# KiCad board StarboardWing.kicad_pcb
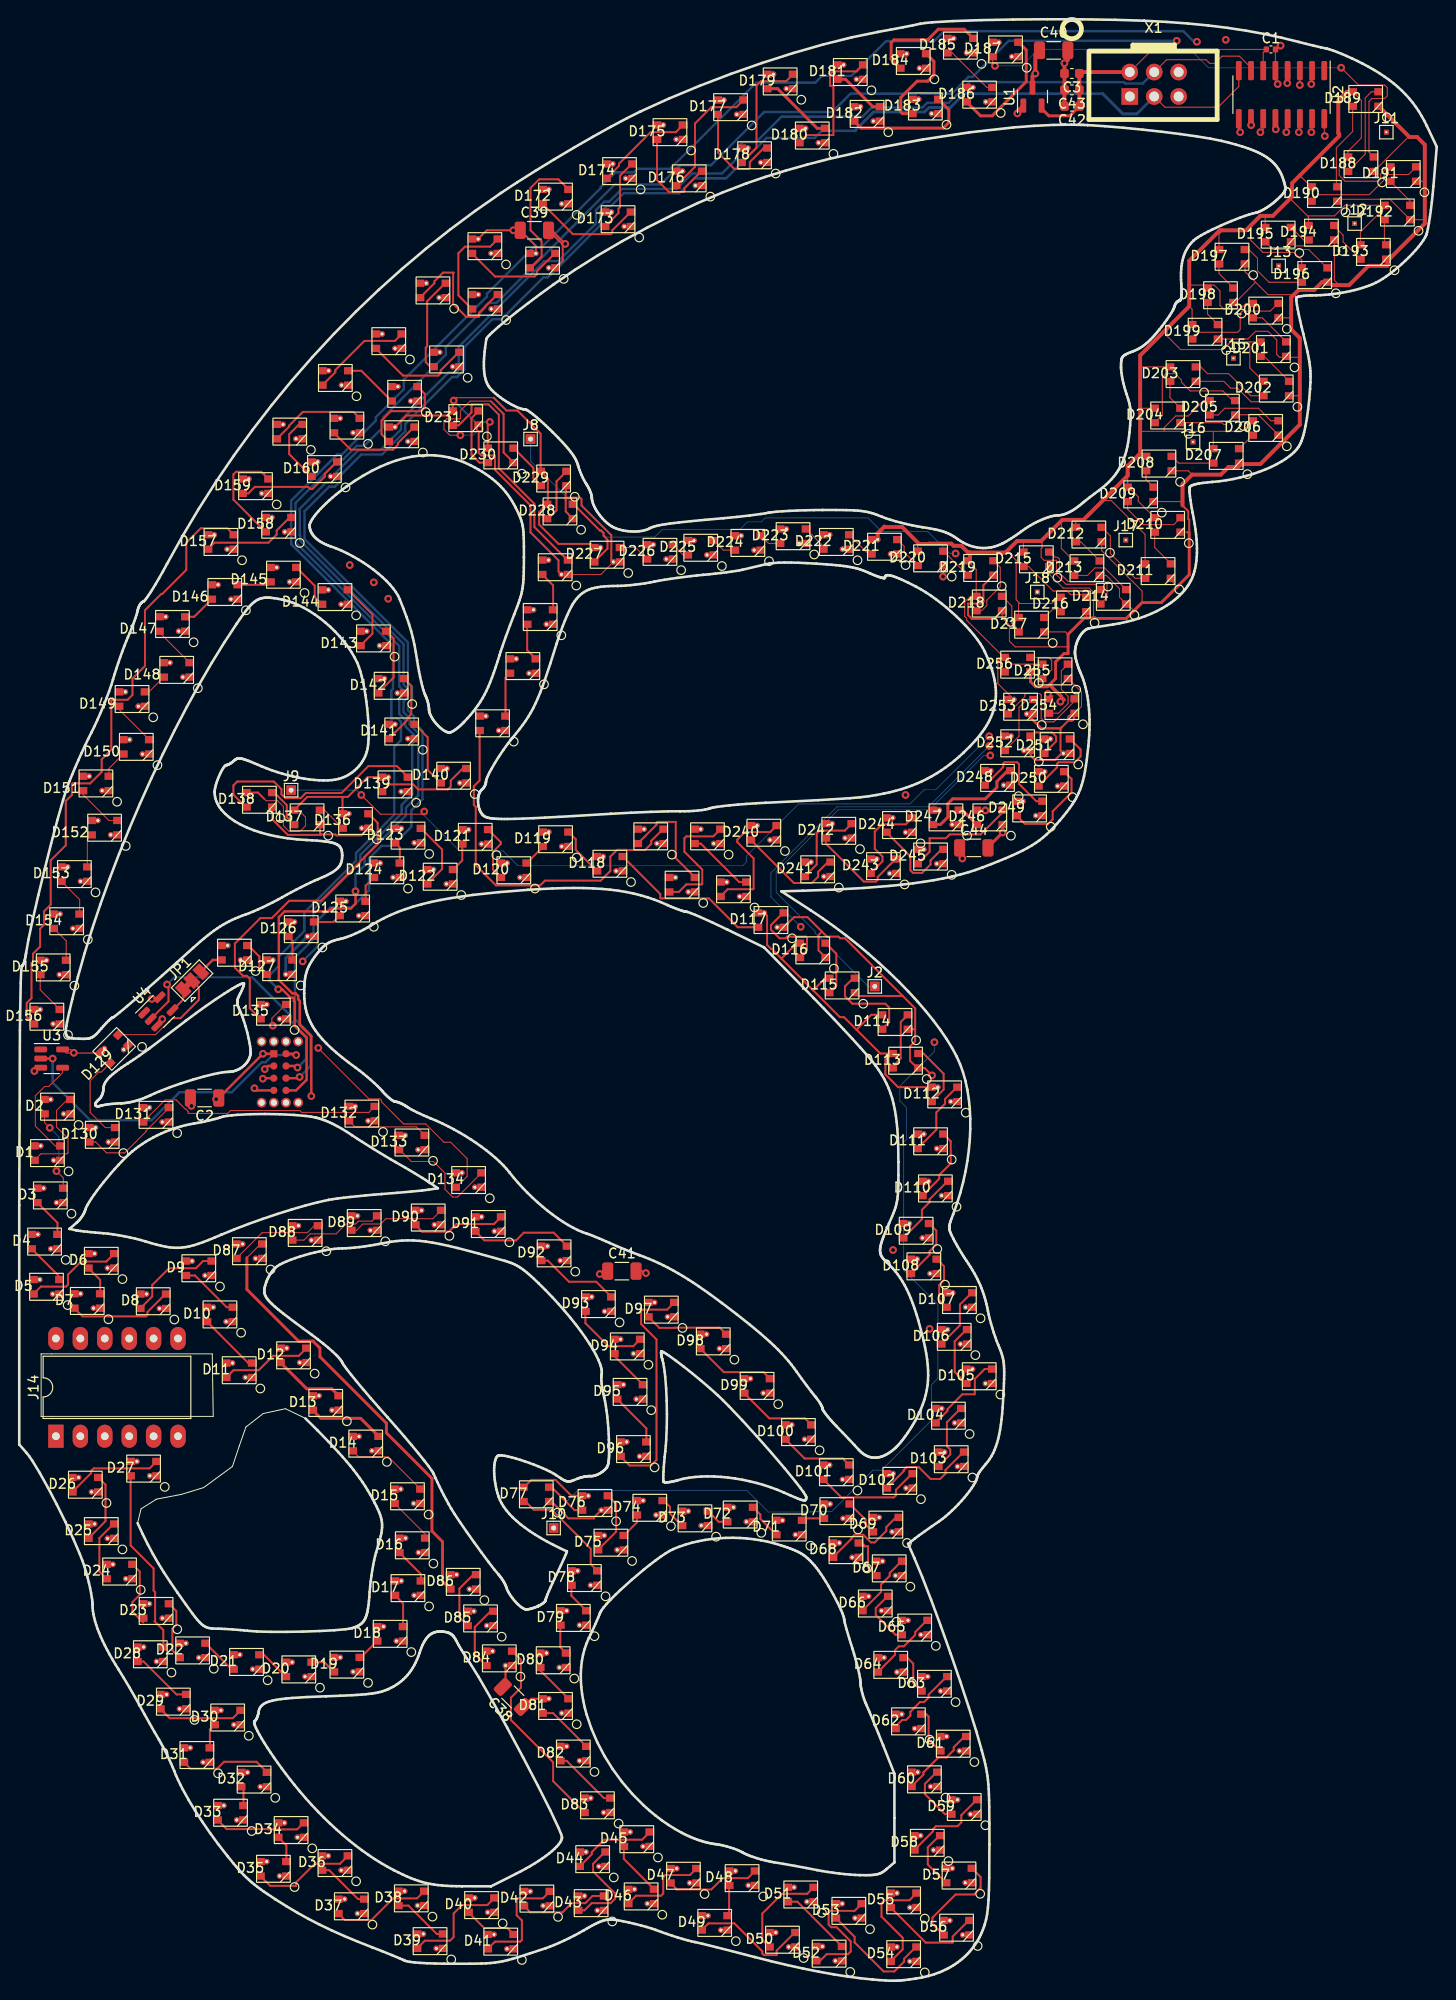
[diagram p0: board, top side]
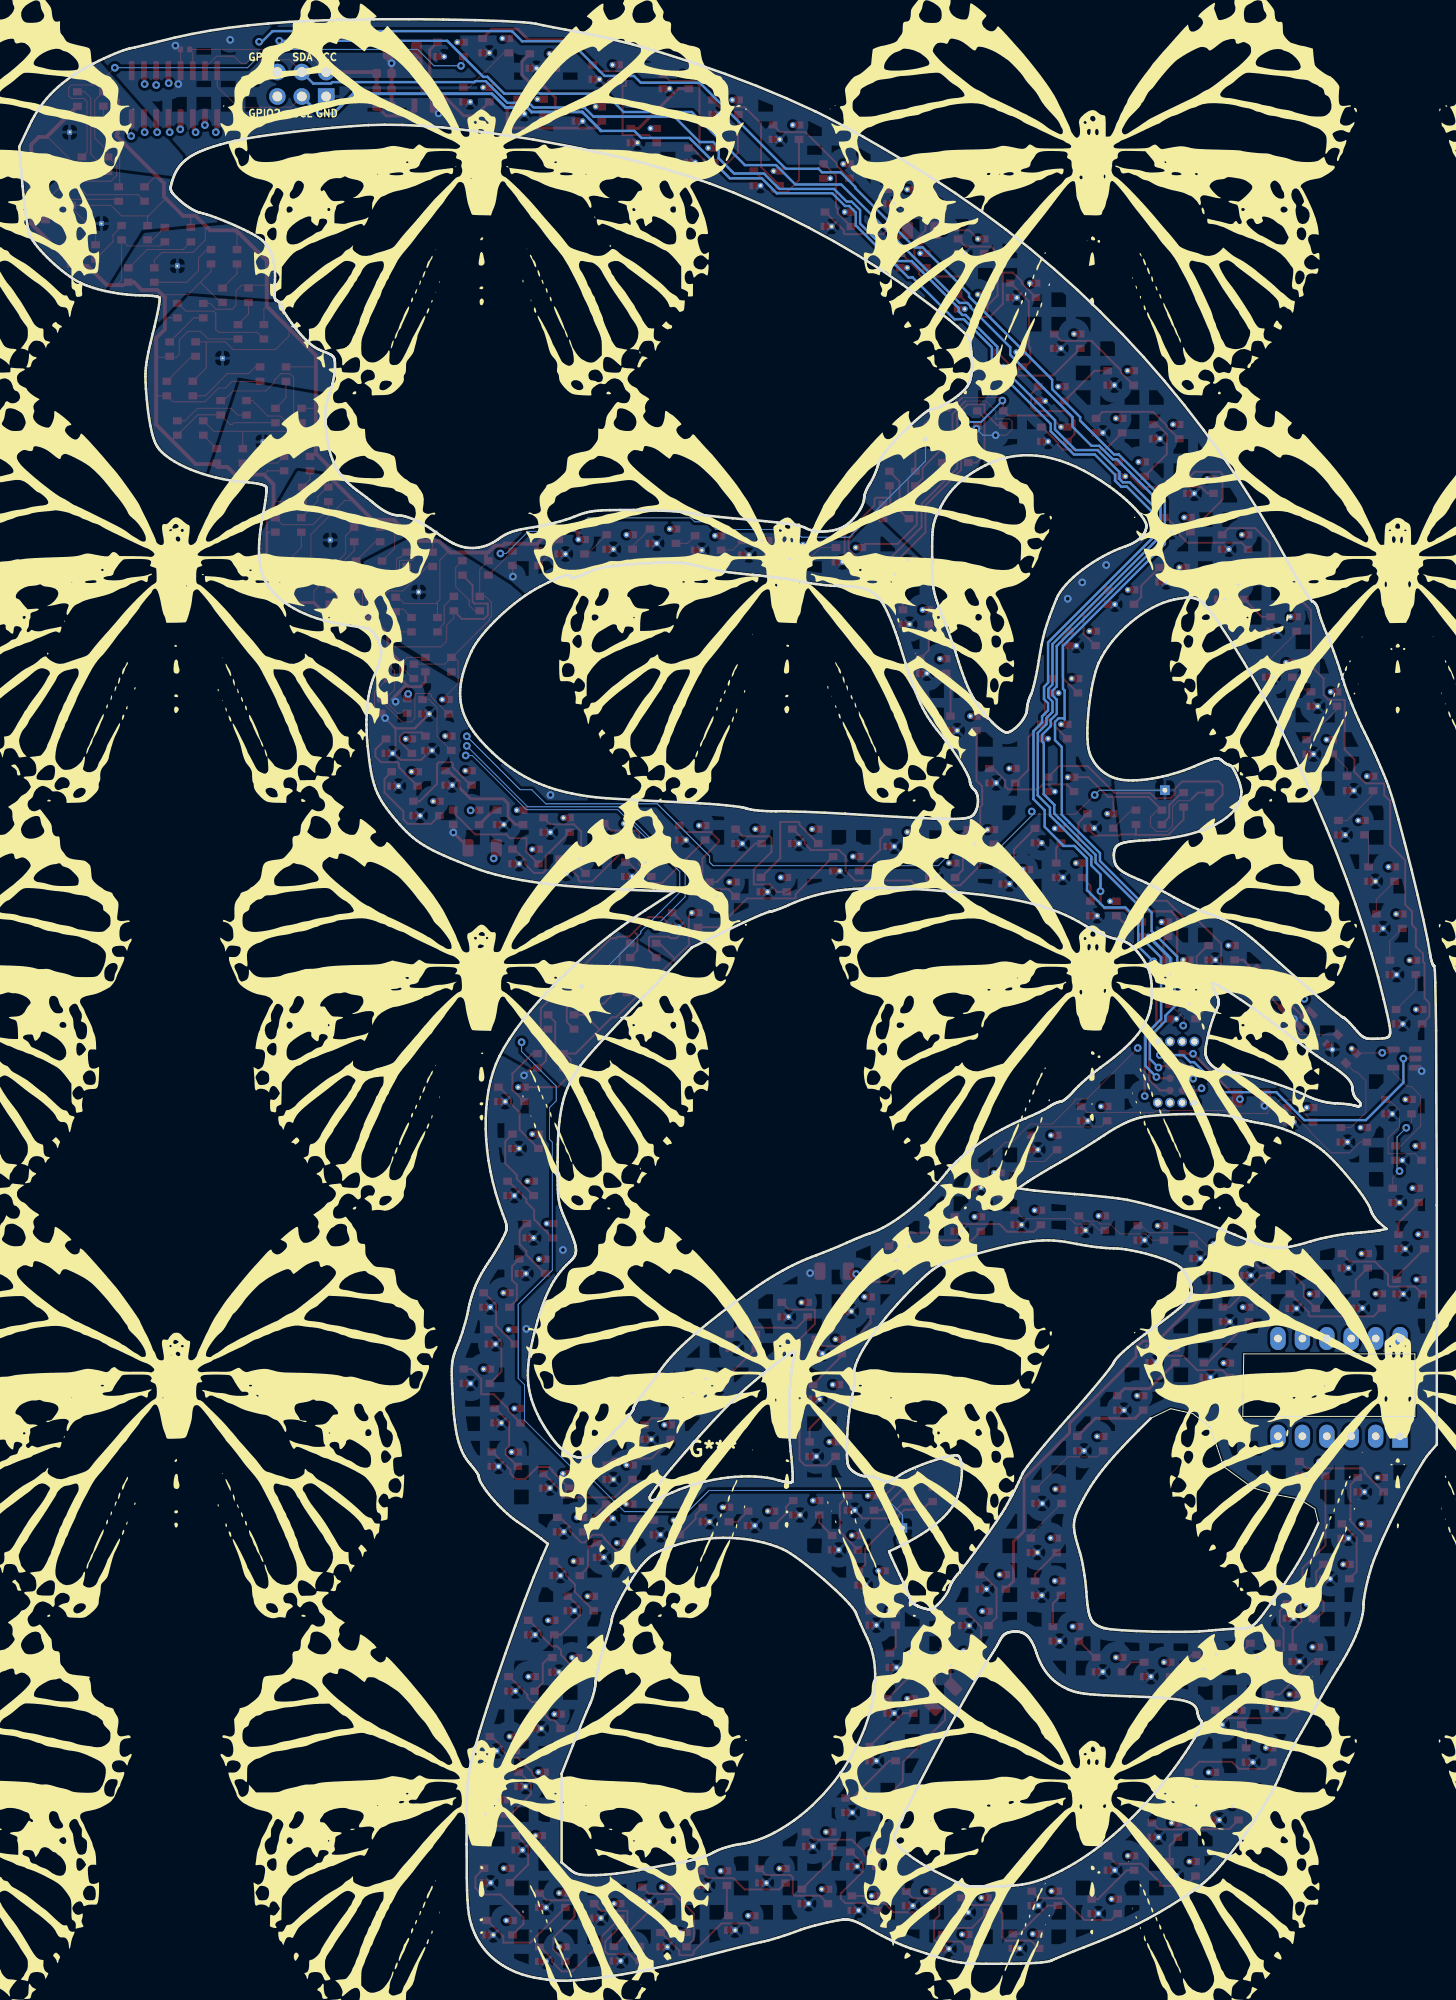
[diagram p1: board, bottom side, seen from below]

Outline 147.42 x 203.91 mm; copper layers: Top, In1.Cu, In2.Cu, Bottom. Coordinates in mm from the lower left corner of the outline.
Stack: Top 0.035mm / dielectric 0.1mm FR4 er 4.5 / In1.Cu 0.035mm / dielectric 1.24mm FR4 er 4.5 / In2.Cu 0.035mm / dielectric 0.1mm FR4 er 4.5 / Bottom 0.035mm

## Placement (name value [footprint] x y rotation side)
C1  1uF  [C_0402_1005Metric]  130.17 200.77 0 top
C2  22uF  [C_1206_3216Metric]  19.27 91.77 180 top
C3  10uF  [C_0603_1608Metric]  109.47 198.27 180 top
C38  22uF  [C_1206_3216Metric]  51.33 29.51 135 top
C39  22uF  [C_1206_3216Metric]  53.57 181.97 0 top
C40  22uF  [C_1206_3216Metric]  107.57 200.67 0 top
C41  22uF  [C_1206_3216Metric]  62.67 73.77 0 top
C42  10uF  [C_0603_1608Metric]  109.47 194.87 180 top
C43  10uF  [C_0603_1608Metric]  109.47 196.57 180 top
C44  22uF  [C_1206_3216Metric]  99.27 117.77 0 top
D1  SK6812  [XL-3528RGBW]  2.93 86.04 0 top
D2  SK6812  [XL-3528RGBW]  3.97 90.87 0 top
D3  SK6812  [XL-3528RGBW]  3.23 81.64 0 top
D4  SK6812  [XL-3528RGBW]  2.63 76.84 0 top
D5  SK6812  [XL-3528RGBW]  2.83 72.14 0 top
D6  SK6812  [XL-3528RGBW]  8.53 74.84 0 top
D7  SK6812  [XL-3528RGBW]  7.07 70.67 0 top
D8  SK6812  [XL-3528RGBW]  13.93 70.64 0 top
D9  SK6812  [XL-3528RGBW]  18.67 74.07 0 top
D10  SK6812  [XL-3528RGBW]  20.87 69.27 0 top
D11  SK6812  [XL-3528RGBW]  22.87 63.47 0 top
D12  SK6812  [XL-3528RGBW]  28.52 65.02 0 top
D13  SK6812  [XL-3528RGBW]  31.87 60.07 0 top
D14  SK6812  [XL-3528RGBW]  36.03 55.84 0 top
D15  SK6812  [XL-3528RGBW]  40.37 50.37 0 top
D16  SK6812  [XL-3528RGBW]  40.87 45.27 0 top
D17  SK6812  [XL-3528RGBW]  40.42 40.82 0 top
D18  SK6812  [XL-3528RGBW]  38.57 36.07 0 top
D19  SK6812  [XL-3528RGBW]  34.07 32.87 0 top
D20  SK6812  [XL-3528RGBW]  29.07 32.37 0 top
D21  SK6812  [XL-3528RGBW]  23.63 33.14 0 top
D22  SK6812  [XL-3528RGBW]  18.03 34.34 0 top
D23  SK6812  [XL-3528RGBW]  14.23 38.44 0 top
D24  SK6812  [XL-3528RGBW]  10.43 42.54 0 top
D25  SK6812  [XL-3528RGBW]  8.53 46.74 0 top
D26  SK6812  [XL-3528RGBW]  6.87 51.57 0 top
D27  SK6812  [XL-3528RGBW]  12.93 53.24 0 top
D28  SK6812  [XL-3528RGBW]  13.63 33.94 0 top
D29  SK6812  [XL-3528RGBW]  16.02 29.02 0 top
D30  SK6812  [XL-3528RGBW]  21.67 27.37 0 top
D31  SK6812  [XL-3528RGBW]  18.47 23.47 0 top
D32  SK6812  [XL-3528RGBW]  24.42 20.92 0 top
D33  SK6812  [XL-3528RGBW]  21.97 17.47 0 top
D34  SK6812  [XL-3528RGBW]  28.27 15.67 0 top
D35  SK6812  [XL-3528RGBW]  26.43 11.64 0 top
D36  SK6812  [XL-3528RGBW]  32.83 12.24 0 top
D37  SK6812  [XL-3528RGBW]  34.53 7.74 0 top
D38  SK6812  [XL-3528RGBW]  40.77 8.57 0 top
D39  SK6812  [XL-3528RGBW]  42.72 4.12 0 top
D40  SK6812  [XL-3528RGBW]  48.07 7.87 0 top
D41  SK6812  [XL-3528RGBW]  50.07 4.07 0 top
D42  SK6812  [XL-3528RGBW]  53.83 8.54 0 top
D43  SK6812  [XL-3528RGBW]  59.47 8.07 0 top
D44  SK6812  [XL-3528RGBW]  59.63 12.64 0 top
D45  SK6812  [XL-3528RGBW]  64.22 14.72 0 top
D46  SK6812  [XL-3528RGBW]  64.67 8.77 0 top
D47  SK6812  [XL-3528RGBW]  69.07 10.92 0 top
D48  SK6812  [XL-3528RGBW]  75.17 10.67 0 top
D49  SK6812  [XL-3528RGBW]  72.32 6.02 0 top
D50  SK6812  [XL-3528RGBW]  79.37 4.27 0 top
D51  SK6812  [XL-3528RGBW]  81.27 8.97 0 top
D52  SK6812  [XL-3528RGBW]  84.22 2.82 0 top
D53  SK6812  [XL-3528RGBW]  86.27 7.27 0 top
D54  SK6812  [XL-3528RGBW]  91.97 2.77 0 top
D55  SK6812  [XL-3528RGBW]  91.97 8.37 0 top
D56  SK6812  [XL-3528RGBW]  97.47 5.52 0 top
D57  SK6812  [XL-3528RGBW]  97.73 10.94 0 top
D58  SK6812  [XL-3528RGBW]  94.43 14.34 0 top
D59  SK6812  [XL-3528RGBW]  98.27 18.07 0 top
D60  SK6812  [XL-3528RGBW]  94.13 20.94 0 top
D61  SK6812  [XL-3528RGBW]  97.13 24.64 0 top
D62  SK6812  [XL-3528RGBW]  92.47 26.97 0 top
D63  SK6812  [XL-3528RGBW]  95.17 30.87 0 top
D64  SK6812  [XL-3528RGBW]  90.63 32.84 0 top
D65  SK6812  [XL-3528RGBW]  93.12 36.72 0 top
D66  SK6812  [XL-3528RGBW]  89.02 39.22 0 top
D67  SK6812  [XL-3528RGBW]  90.47 42.87 0 top
D68  SK6812  [XL-3528RGBW]  85.97 44.77 0 top
D69  SK6812  [XL-3528RGBW]  90.12 47.42 0 top
D70  SK6812  [XL-3528RGBW]  85.02 48.82 0 top
D71  SK6812  [XL-3528RGBW]  80.07 47.12 0 top
D72  SK6812  [XL-3528RGBW]  74.97 48.47 0 top
D73  SK6812  [XL-3528RGBW]  70.27 48.07 0 top
D74  SK6812  [XL-3528RGBW]  65.57 49.17 0 top
D75  SK6812  [XL-3528RGBW]  61.53 45.54 0 top
D76  SK6812  [XL-3528RGBW]  59.87 49.67 0 top
D77  SK6812  [XL-3528RGBW-NoVia]  53.77 50.57 0 top
D78  SK6812  [XL-3528RGBW]  58.77 41.87 0 top
D79  SK6812  [XL-3528RGBW]  57.62 37.72 0 top
D80  SK6812  [XL-3528RGBW]  55.52 33.32 0 top
D81  SK6812  [XL-3528RGBW]  55.77 28.57 0 top
D82  SK6812  [XL-3528RGBW]  57.62 23.62 0 top
D83  SK6812  [XL-3528RGBW]  60.13 18.24 0 top
D84  SK6812  [XL-3528RGBW]  49.92 33.52 0 top
D85  SK6812  [XL-3528RGBW]  47.97 37.67 0 top
D86  SK6812  [XL-3528RGBW]  46.17 41.47 0 top
D87  SK6812  [XL-3528RGBW]  23.93 75.84 0 top
D88  SK6812  [XL-3528RGBW]  29.73 77.74 0 top
D89  SK6812  [XL-3528RGBW]  35.87 78.77 0 top
D90  SK6812  [XL-3528RGBW]  42.53 79.34 0 top
D91  SK6812  [XL-3528RGBW]  48.77 78.67 0 top
D92  SK6812  [XL-3528RGBW]  55.62 75.62 0 top
D93  SK6812  [XL-3528RGBW]  60.23 70.34 0 top
D94  SK6812  [XL-3528RGBW]  63.23 65.94 0 top
D95  SK6812  [XL-3528RGBW]  63.52 61.22 0 top
D96  SK6812  [XL-3528RGBW]  63.87 55.27 0 top
D97  SK6812  [XL-3528RGBW]  66.77 69.77 0 top
D98  SK6812  [XL-3528RGBW]  72.17 66.47 0 top
D99  SK6812  [XL-3528RGBW]  76.73 61.84 0 top
D100  SK6812  [XL-3528RGBW]  81.03 57.04 0 top
D101  SK6812  [XL-3528RGBW]  84.97 52.87 0 top
D102  SK6812  [XL-3528RGBW]  91.57 51.97 0 top
D103  SK6812  [XL-3528RGBW]  96.92 54.22 0 top
D104  SK6812  [XL-3528RGBW]  96.63 58.74 0 top
D105  SK6812  [XL-3528RGBW]  99.83 62.84 0 top
D106  SK6812  [XL-3528RGBW]  97.23 66.94 0 top
D107  SK6812  [XL-3528RGBW]  97.77 70.77 0 top
D108  SK6812  [XL-3528RGBW]  94.07 74.27 0 top
D109  SK6812  [XL-3528RGBW]  93.27 77.97 0 top
D110  SK6812  [XL-3528RGBW]  95.27 82.37 0 top
D111  SK6812  [XL-3528RGBW]  94.77 87.27 0 top
D112  SK6812  [XL-3528RGBW]  96.23 92.14 0 top
D113  SK6812  [XL-3528RGBW-NoVia]  92.17 95.64 0 top
D114  SK6812  [XL-3528RGBW-NoVia]  91.07 99.67 0 top
D115  SK6812  [XL-3528RGBW-NoVia]  85.57 103.47 0 top
D116  SK6812  [XL-3528RGBW-NoVia]  82.52 107.12 0 top
D117  SK6812  [XL-3528RGBW]  78.17 110.27 0 top
D118  SK6812  [XL-3528RGBW]  61.42 116.12 0 top
D119  SK6812  [XL-3528RGBW]  55.77 118.67 0 top
D120  SK6812  [XL-3528RGBW]  51.43 115.44 0 top
D121  SK6812  [XL-3528RGBW]  47.42 118.92 0 top
D122  SK6812  [XL-3528RGBW]  43.77 114.77 0 top
D123  SK6812  [XL-3528RGBW]  40.43 119.04 0 top
D124  SK6812  [XL-3528RGBW]  38.23 115.44 0 top
D125  SK6812  [XL-3528RGBW]  34.67 111.47 0 top
D126  SK6812  [XL-3528RGBW]  29.32 109.32 0 top
D127  SK6812  [XL-3528RGBW]  27.07 105.37 0 top
D128  SK6812  [XL-3528RGBW]  22.37 106.87 0 top
D129  SK6812  [XL-3528RGBW#2]  9.87 96.87 45 top
D130  SK6812  [XL-3528RGBW]  8.63 87.94 0 top
D131  SK6812  [XL-3528RGBW]  14.22 90.02 0 top
D132  SK6812  [XL-3528RGBW]  35.63 90.14 0 top
D133  SK6812  [XL-3528RGBW]  40.83 87.14 0 top
D134  SK6812  [XL-3528RGBW]  46.73 83.24 0 top
D135  SK6812  [XL-3528RGBW]  26.43 100.74 0 top
D136  SK6812  [XL-3528RGBW]  34.97 120.57 0 top
D137  SK6812  [XL-3528RGBW-NoVia]  29.93 120.94 0 top
D138  SK6812  [XL-3528RGBW-NoVia]  24.97 122.77 0 top
D139  SK6812  [XL-3528RGBW]  39.07 124.37 0 top
D140  SK6812  [XL-3528RGBW]  45.17 125.27 0 top
D141  SK6812  [XL-3528RGBW]  39.77 129.87 0 top
D142  SK6812  [XL-3528RGBW]  38.67 134.62 0 top
D143  SK6812  [XL-3528RGBW]  36.83 139.54 0 top
D144  SK6812  [XL-3528RGBW]  32.83 143.84 0 top
D145  SK6812  [XL-3528RGBW]  27.47 146.17 0 top
D146  SK6812  [XL-3528RGBW]  21.37 144.37 0 top
D147  SK6812  [XL-3528RGBW]  15.93 141.04 0 top
D148  SK6812  [XL-3528RGBW]  16.37 136.27 0 top
D149  SK6812  [XL-3528RGBW]  11.73 133.24 0 top
D150  SK6812  [XL-3528RGBW]  12.17 128.27 0 top
D151  SK6812  [XL-3528RGBW]  7.97 124.47 0 top
D152  SK6812  [XL-3528RGBW]  8.87 119.87 0 top
D153  SK6812  [XL-3528RGBW]  5.73 115.04 0 top
D154  SK6812  [XL-3528RGBW]  4.93 110.14 0 top
D155  SK6812  [XL-3528RGBW]  3.53 105.34 0 top
D156  SK6812  [XL-3528RGBW]  2.87 100.22 0 top
D157  SK6812  [XL-3528RGBW]  20.97 149.57 0 top
D158  SK6812  [XL-3528RGBW]  26.97 151.37 0 top
D159  SK6812  [XL-3528RGBW]  24.57 155.37 0 top
D160  SK6812  [XL-3528RGBW]  31.73 157.14 0 top
D161  SK6812  [XL-3528RGBW]  28.13 161.04 0 top
D162  SK6812  [XL-3528RGBW]  34.07 161.67 0 top
D163  SK6812  [XL-3528RGBW]  39.77 160.77 0 top
D164  SK6812  [XL-3528RGBW]  40.07 164.97 0 top
D165  SK6812  [XL-3528RGBW]  32.87 166.62 0 top
D166  SK6812  [XL-3528RGBW]  38.43 170.44 0 top
D167  SK6812  [XL-3528RGBW]  44.43 168.54 0 top
D168  SK6812  [XL-3528RGBW]  43.02 175.72 0 top
D169  SK6812  [XL-3528RGBW]  48.43 174.54 0 top
D170  SK6812  [XL-3528RGBW]  48.42 180.32 0 top
D171  SK6812  [XL-3528RGBW]  54.42 178.82 0 top
D172  SK6812  [XL-3528RGBW]  55.77 185.47 0 top
D173  SK6812  [XL-3528RGBW]  62.27 183.12 0 top
D174  SK6812  [XL-3528RGBW]  62.42 188.12 0 top
D175  SK6812  [XL-3528RGBW]  67.67 192.17 0 top
D176  SK6812  [XL-3528RGBW]  69.67 187.37 0 top
D177  SK6812  [XL-3528RGBW]  73.97 194.77 0 top
D178  SK6812  [XL-3528RGBW]  76.47 189.77 0 top
D179  SK6812  [XL-3528RGBW]  79.13 197.44 0 top
D180  SK6812  [XL-3528RGBW]  82.47 191.82 0 top
D181  SK6812  [XL-3528RGBW]  86.42 198.42 0 top
D182  SK6812  [XL-3528RGBW]  88.17 194.07 0 top
D183  SK6812  [XL-3528RGBW]  94.23 194.84 0 top
D184  SK6812  [XL-3528RGBW]  92.97 199.57 0 top
D185  SK6812  [XL-3528RGBW]  97.87 201.17 0 top
D186  SK6812  [XL-3528RGBW]  99.87 196.07 0 top
D187  SK6812  [XL-3528RGBW]  102.57 200.77 0 top
D188  SK6812  [XL-3528RGBW-NoVia]  139.53 188.84 0 top
D189  SK6812  [XL-3528RGBW-NoVia]  140.02 195.62 0 top
D190  SK6812  [XL-3528RGBW-NoVia]  135.73 185.74 0 top
D191  SK6812  [XL-3528RGBW-NoVia]  143.93 187.82 0 top
D192  SK6812  [XL-3528RGBW-NoVia]  143.32 183.82 0 top
D193  SK6812  [XL-3528RGBW-NoVia]  140.82 179.72 0 top
D194  SK6812  [XL-3528RGBW-NoVia]  135.42 181.72 0 top
D195  SK6812  [XL-3528RGBW-NoVia]  130.92 181.52 0 top
D196  SK6812  [XL-3528RGBW-NoVia]  134.72 177.32 0 top
D197  SK6812  [XL-3528RGBW-NoVia]  126.12 179.22 0 top
D198  SK6812  [XL-3528RGBW-NoVia]  124.92 175.22 0 top
D199  SK6812  [XL-3528RGBW-NoVia]  123.32 171.42 0 top
D200  SK6812  [XL-3528RGBW-NoVia]  129.62 173.62 0 top
D201  SK6812  [XL-3528RGBW-NoVia]  130.42 169.62 0 top
D202  SK6812  [XL-3528RGBW-NoVia]  130.72 165.52 0 top
D203  SK6812  [XL-3528RGBW-NoVia]  121.02 167.02 0 top
D204  SK6812  [XL-3528RGBW-NoVia]  119.42 162.72 0 top
D205  SK6812  [XL-3528RGBW-NoVia]  125.12 163.52 0 top
D206  SK6812  [XL-3528RGBW-NoVia]  129.62 161.42 0 top
D207  SK6812  [XL-3528RGBW-NoVia]  125.52 158.52 0 top
D208  SK6812  [XL-3528RGBW-NoVia]  118.52 157.72 0 top
D209  SK6812  [XL-3528RGBW-NoVia]  116.62 154.52 0 top
D210  SK6812  [XL-3528RGBW-NoVia]  119.43 151.34 0 top
D211  SK6812  [XL-3528RGBW-NoVia]  118.43 146.54 0 top
D212  SK6812  [XL-3528RGBW-NoVia]  111.23 150.34 0 top
D213  SK6812  [XL-3528RGBW-NoVia]  111.03 146.84 0 top
D214  SK6812  [XL-3528RGBW-NoVia]  113.77 143.87 0 top
D215  SK6812  [XL-3528RGBW-NoVia]  105.77 147.77 0 top
D216  SK6812  [XL-3528RGBW-NoVia]  109.63 143.07 0 top
D217  SK6812  [XL-3528RGBW-NoVia]  105.27 140.97 0 top
D218  SK6812  [XL-3528RGBW-NoVia]  100.87 143.17 0 top
D219  SK6812  [XL-3528RGBW-NoVia]  99.97 146.87 0 top
D220  SK6812  [XL-3528RGBW-NoVia]  94.77 147.87 0 top
D221  SK6812  [XL-3528RGBW]  89.97 149.07 0 top
D222  SK6812  [XL-3528RGBW]  84.97 149.57 0 top
D223  SK6812  [XL-3528RGBW]  80.47 150.17 0 top
D224  SK6812  [XL-3528RGBW]  75.77 149.47 0 top
D225  SK6812  [XL-3528RGBW]  70.87 148.97 0 top
D226  SK6812  [XL-3528RGBW]  66.63 148.54 0 top
D227  SK6812  [XL-3528RGBW]  61.13 148.24 0 top
D228  SK6812  [XL-3528RGBW-NoVia]  56.23 152.74 0 top
D229  SK6812  [XL-3528RGBW-NoVia]  55.57 156.17 0 top
D230  SK6812  [XL-3528RGBW-NoVia]  50.07 158.57 0 top
D231  SK6812  [XL-3528RGBW-NoVia]  46.43 162.44 0 top
D232  SK6812  [XL-3528RGBW]  55.73 146.94 0 top
D233  SK6812  [XL-3528RGBW]  54.17 141.77 0 top
D234  SK6812  [XL-3528RGBW]  52.37 136.67 0 top
D235  SK6812  [XL-3528RGBW]  49.22 130.72 0 top
D236  SK6812  [XL-3528RGBW]  65.67 118.97 0 top
D237  SK6812  [XL-3528RGBW]  68.93 113.94 0 top
D238  SK6812  [XL-3528RGBW]  71.57 118.97 0 top
D239  SK6812  [XL-3528RGBW]  74.27 113.47 0 top
D240  SK6812  [XL-3528RGBW]  77.43 119.34 0 top
D241  SK6812  [XL-3528RGBW]  83.03 115.54 0 top
D242  SK6812  [XL-3528RGBW]  85.23 119.54 0 top
D243  SK6812  [XL-3528RGBW]  89.87 115.87 0 top
D244  SK6812  [XL-3528RGBW]  91.53 120.14 0 top
D245  SK6812  [XL-3528RGBW]  94.77 116.87 0 top
D246  SK6812  [XL-3528RGBW-NoVia]  100.93 120.94 0 top
D247  SK6812  [XL-3528RGBW]  96.37 120.94 0 top
D248  SK6812  [XL-3528RGBW]  101.73 125.04 0 top
D249  SK6812  [XL-3528RGBW]  105.07 121.87 0 top
D250  SK6812  [XL-3528RGBW]  107.33 124.94 0 top
D251  SK6812  [XL-3528RGBW]  107.93 128.34 0 top
D252  SK6812  [XL-3528RGBW]  103.83 128.64 0 top
D253  SK6812  [XL-3528RGBW]  104.13 132.44 0 top
D254  SK6812  [XL-3528RGBW-NoVia]  108.42 132.52 0 top
D255  SK6812  [XL-3528RGBW-NoVia]  107.72 136.12 0 top
D256  SK6812  [XL-3528RGBW-NoVia]  103.82 136.82 0 top
G***  LOGO  [tiledBgLg]  75.27 55.27 180 bottom
J1  Conn_02x04_Odd_Even  [FlatFlexWingConnector-WingPCBSide]  26.47 96.37 0 top
J2  Conn_01x01_Female  [TestPoint_THTPad_1.0x1.0mm_Drill0.5mm#2]  88.97 103.37 0 top
J8  Conn_01x01_Female  [TestPoint_THTPad_1.0x1.0mm_Drill0.5mm#2]  53.17 160.27 0 top
J9  Conn_01x01_Female  [TestPoint_THTPad_1.0x1.0mm_Drill0.5mm#2]  28.27 123.77 0 top
J10  Conn_01x01_Female  [TestPoint_THTPad_1.0x1.0mm_Drill0.5mm#2]  55.57 47.07 0 top
J11  Conn_01x01_Female  [TestPoint_THTPad_1.0x1.0mm_Drill0.5mm]  142.17 192.17 0 top
J12  Conn_01x01_Female  [TestPoint_THTPad_1.0x1.0mm_Drill0.5mm]  138.87 182.67 0 top
J13  Conn_01x01_Female  [TestPoint_THTPad_1.0x1.0mm_Drill0.5mm]  130.97 178.27 0 top
J14  Conn_02x06_Counter_Clockwise  [DIP-12_W10.16mm_LongPads]  3.81 56.61 90 top
J15  Conn_01x01_Female  [TestPoint_THTPad_1.0x1.0mm_Drill0.5mm]  126.27 168.67 0 top
J16  Conn_01x01_Female  [TestPoint_THTPad_1.0x1.0mm_Drill0.5mm]  122.07 159.97 0 top
J17  Conn_01x01_Female  [TestPoint_THTPad_1.0x1.0mm_Drill0.5mm]  115.07 149.77 0 top
J18  Conn_01x01_Female  [TestPoint_THTPad_1.0x1.0mm_Drill0.5mm#3]  105.87 144.37 0 top
JP1  Jumper_3_Bridged12  [SolderJumper-3_P1.3mm_Bridged12_Pad1.0x1.5mm]  17.97 103.97 45 top
U1  XC6206PxxxMR  [SOT-23]  105.37 195.87 90 top
U2  HX612  [SOP-16_3.9x9.9mm_P1.27mm]  131.27 196.07 270 top
U3  SN74LV1T34DBV  [SOT-23-5]  3.37 95.87 0 top
U4  SN74LV1T34DBV  [SOT-23-5]  14.47 100.77 45 top
X1  Badgelife_sao_connector_v169bis  [Badgelife-SAOv169-BADGE-2x3]  117.97 197.17 0 top

## Library data of the parts
C1 = -: Description: Unpolarized capacitor
C2 C38-C41 C44 = -: Description: Unpolarized capacitor; LCSC: C12891
C3 C42 C43 = -: Description: Unpolarized capacitor; LCSC: C96446
D1-D256 = -: Description: RGB LED with integrated controller; LCSC: C2890364
J1 = -: Description: Generic connector, double row, 02x04, odd/even pin numbering scheme (row 1 odd numbers, row 2 even numbers), script generated (kicad-library-utils/schlib/autogen/connector/)
J2 J8-J13 J15-J18 = -: Description: Generic connector, single row, 01x01, script generated (kicad-library-utils/schlib/autogen/connector/)
J14 = -: Description: Generic connector, double row, 02x06, counter clockwise pin numbering scheme (similar to DIP package numbering), script generated (kicad-library-utils/schlib/autogen/connector/)
JP1 = -: Description: Jumper, 3-pole, pins 1+2 closed/bridged
U1 = -: Description: Positive 60-250mA Low Dropout Regulator, Fixed Output, SOT-23; LCSC: C5446
U3 U4 = -: Description: Single Power Supply, Single Buffer GATE, CMOS Logic, Level Shifter, SOT-23-5

## Footprints (pads in the part's own frame, mm; a bottom-side part is the same pattern mirrored in y, then rotated)
Badgelife-SAOv169-BADGE-2x3
  oval 1.727x1.727 hole 1.016: 1(-2.48,1.25) 3(0.06,1.25) 4(0.06,-1.29)
  rect 1.727x1.727 hole 1.016: 2(-2.48,-1.29)
  round 1.727 hole 1.016: 5(2.6,1.25) 6(2.6,-1.29)
C_0402_1005Metric
  rrect 0.56x0.62 smd: 1(-0.48,0) 2(0.48,0)
C_0603_1608Metric
  rrect 0.9x0.95 smd: 1(-0.775,0) 2(0.775,0)
C_1206_3216Metric
  rrect 1.15x1.8 smd: 1(-1.475,0) 2(1.475,0)
DIP-12_W10.16mm_LongPads
  rect 2.4x1.6 hole 0.8: 1(0,0)
  oval 2.4x1.6 hole 0.8: 2(0,-2.54) 3(0,-5.08) 4(0,-7.62) 5(0,-10.16) 6(0,-12.7) 7(10.16,-12.7) 8(10.16,-10.16) 9(10.16,-7.62) 10(10.16,-5.08) 11(10.16,-2.54) 12(10.16,0)
FlatFlexWingConnector-WingPCBSide
  oval 1x1 hole 0.65: (-1.27,1.27) (-1.27,-5.08) (0,1.27) (0,-5.08) (1.27,1.27) (1.27,-5.08) (2.54,1.27) (2.54,-5.08)
  rect 0.75x0.75 smd: 1(0,0)
  oval 0.75x0.75 smd: 2(1.27,0) 3(0,-1.27) 4(1.27,-1.27) 5(0,-2.54) 6(1.27,-2.54) 7(0,-3.81) 8(1.27,-3.81)
SolderJumper-3_P1.3mm_Bridged12_Pad1.0x1.5mm
  rect 1x1.5 smd: 1(-1.3,0) 2(0,0) 3(1.3,0)
SOP-16_3.9x9.9mm_P1.27mm
  rrect 2x0.6 smd: 1(-2.5,4.445) 2(-2.5,3.175) 3(-2.5,1.905) 4(-2.5,0.635) 5(-2.5,-0.635) 6(-2.5,-1.905) 7(-2.5,-3.175) 8(-2.5,-4.445) 9(2.5,-4.445) 10(2.5,-3.175) 11(2.5,-1.905) 12(2.5,-0.635) 13(2.5,0.635) 14(2.5,1.905) 15(2.5,3.175) 16(2.5,4.445)
SOT-23
  rrect 1.475x0.6 smd: 1(-0.938,0.95) 2(-0.938,-0.95) 3(0.938,0)
SOT-23-5
  rrect 1.325x0.6 smd: 1(-1.137,0.95) 2(-1.137,0) 3(-1.137,-0.95) 4(1.137,-0.95) 5(1.137,0.95)
TestPoint_THTPad_1.0x1.0mm_Drill0.5mm
  rect 0.5x0.5 hole 0.2: 1(0,0)
TestPoint_THTPad_1.0x1.0mm_Drill0.5mm#2
  rect 1x1 hole 0.5: 1(0,0)
TestPoint_THTPad_1.0x1.0mm_Drill0.5mm#3
  rect 0.5x0.5 hole 0.3: 1(0,0)
XL-3528RGBW
  round 0.6 hole 0.3: 1(0.65,-0.75) 3(-0.7,0.75)
  rect 0.9x0.75 smd: 1(1.35,-0.75) 2(1.35,0.75) 3(-1.35,0.75) 4(-1.35,-0.75)
XL-3528RGBW#2
  round 0.6 hole 0.3: 1(0.65,-0.75) 3(-0.7,0.75)
  rect 0.9x0.75 smd: 1(1.35,-0.75) 2(1.35,0.75) 3(-1.35,0.75) 4(-1.35,-0.75)
XL-3528RGBW-NoVia
  rect 0.9x0.75 smd: 1(1.35,-0.75) 2(1.35,0.75) 3(-1.35,0.75) 4(-1.35,-0.75)
